# Altium PCB STM32F405.PcbDoc (part 5 of 5)
Units mm, origin at the board's own origin, x right, y up, seen from the top; angles counter-clockwise.
Board outline 430.02 x 145.03 mm, 2 copper layers (Top Layer, Bottom Layer); 243 components, 243 nets, 1346 pads, 2611 vias.
Unrouted connection lines stored in the file: 128.
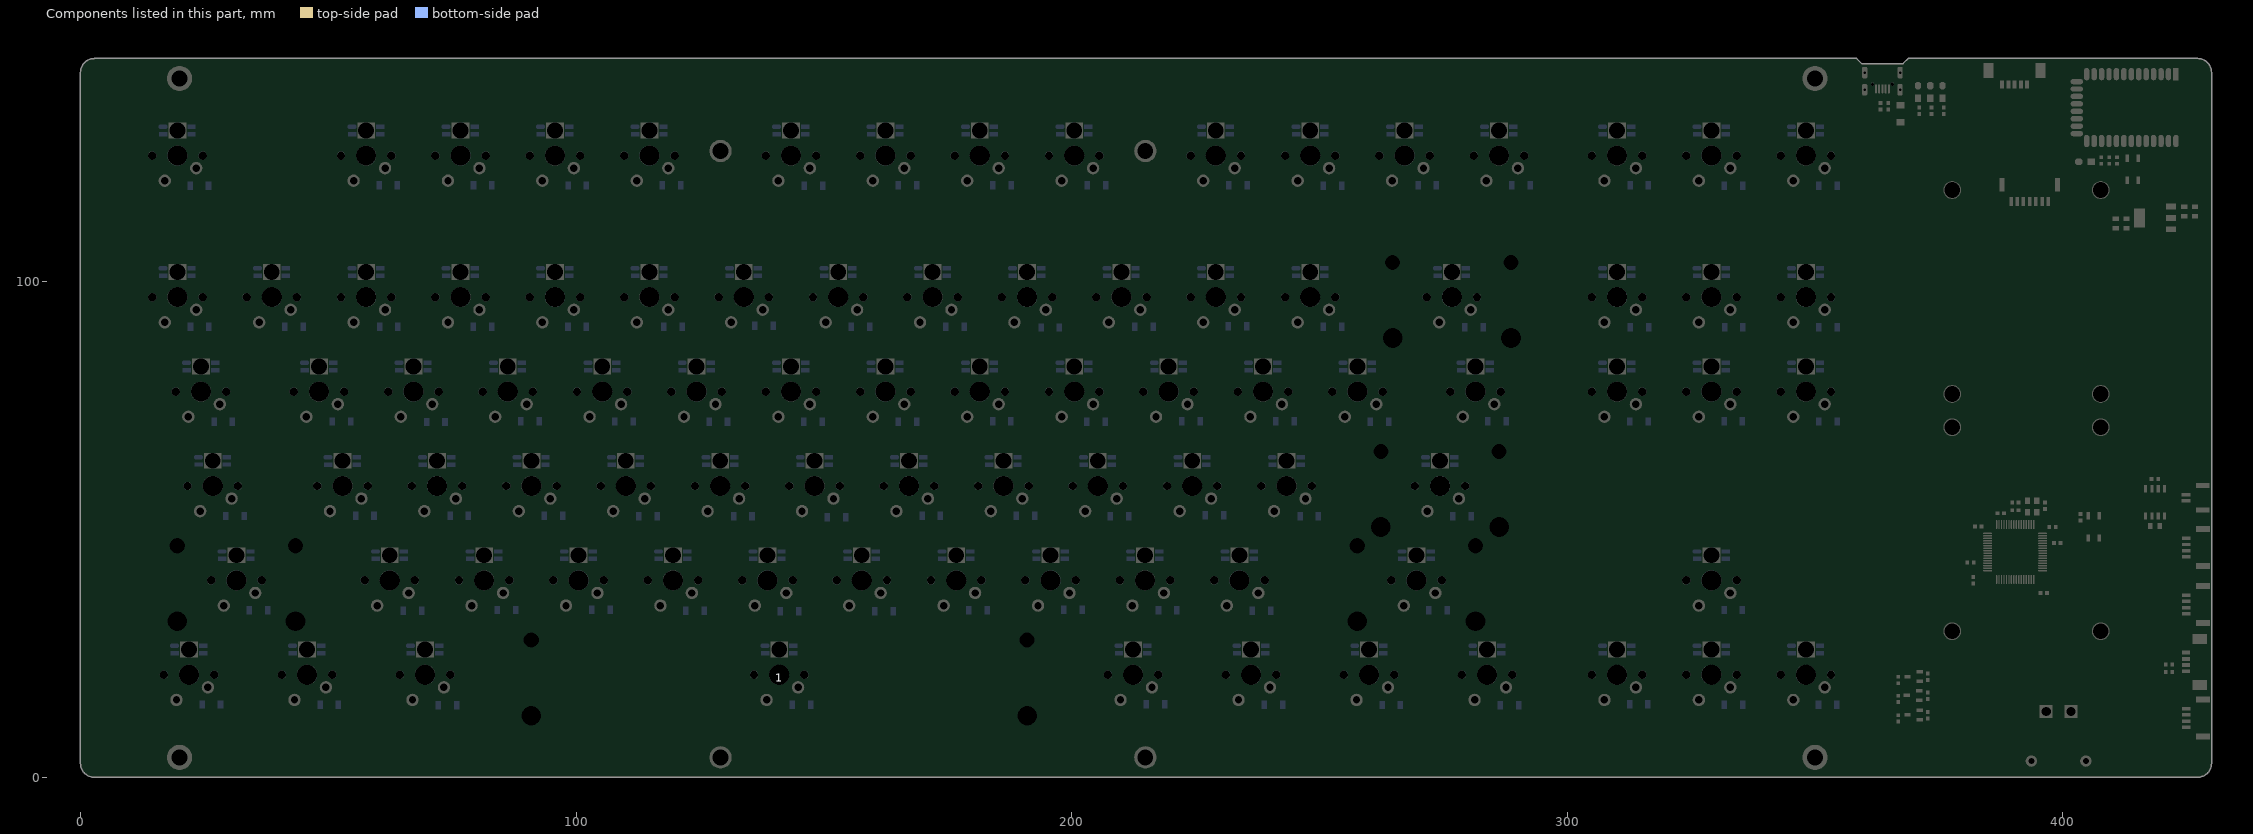
[diagram p5: the components of this part, seen from the top]

## Via types
v1: diameter 0.61, hole 0.305, Top Layer to Bottom Layer, tented both sides, 2611 vias

## Nets (pads, with @x,y where several pads share a name; then routed paths per layer and width w, separated by ;. In a path a pad name is that pad's centre, name@x,y a point inside that pad or via, vN(x,y) a via of type N, cw(c..) or ccw(c..) an arc to the next point about the centre after c; other vN are vias at no path point) (continued)
pads on no net: 1.0 1.1 1.3 1.4 2.0 2.1 2.3 2.4 3.0 3.1 3.3 3.4 4.0 4.1 4.3 4.4 5.0 5.1 5.3 5.4 AT_Config1.0 CAN1.0 HC-1.3 HC-1.4 HC-1.5 HC-1.6 HC-1.7 HC-1.8 HC-1.9 HC-1.10 HC-1.11 HC-1.14 HC-1.15 HC-1.16 HC-1.17 HC-1.18 HC-1.19 HC-1.20 HC-1.23 HC-1.25 HC-1.27 HC-1.28 HC-1.29 HC-1.30 HC-1.31 HC-1.32 HC-1.33 HC-1.34 INPUT1.0 J1.5 JTAG_SW1.0 MX_LD1.0 MX_OLED1.0 OLED1.0 SP1.1 SP2.1 SP3.1 SP4.1 SW1. SW2. SW3. SW4. SW5. SW6. SW7. SW8. SW9. SW10. SW11. SW12. SW13. SW14. SW15. SW16. SW17. SW18. SW19. SW20. SW21. SW22. SW23. SW24. SW25. SW26. SW27. SW27.4 SW28. SW29. SW30. SW31. SW32. SW33. SW34. SW35. SW36. SW37. SW38. SW39. SW40. SW41. SW42. SW43. SW44. SW45. SW46. SW47. SW48. SW49. SW50. SW51. SW52. SW53. SW54. SW54.4 SW55. SW56. SW57. SW58. SW59. SW60. SW61. SW62. SW63. SW64. SW65. SW66. SW67. SW68. SW69. SW70. SW71. SW72. SW73. SW74. SW75. SW76. SW77. SW78. SW79. SW80. SW81. SW82. SW83. SW84. SW85. SW86. SW87. SW87.4 U1.50 U1.55 U1.56 UART1.0 USART1.0 USART2.0 USB1.0 USB1.4
copper on no net: | length 4.7
  Bottom Layer w0.508: 277.193,64.599 v1(278.753,64.599) ; 279.533,102.711 v1(281.093,102.711) ; 351.012,26.499 v1(352.572,26.499)

## Polygon pours and split planes (outlines as drawn)
L_GND on Top Layer "Top Layer-L_GND" (solid, remove dead copper, pour order 40): -4.064,155.321 -9.779,149.606 -9.779,-5.588 440.436,-5.588 452.755,6.731 444.373,15.113 444.373,157.226 435.991,165.608 429.895,159.512 15.113,159.512
L_GND on Top Layer "Top Layer-L_GND 1" (solid, remove dead copper, pour order 30): -37.338,152.781
L_GND on Bottom Layer "Bottom Layer-L_GND" (solid, remove dead copper, pour order 42): -11.43,-6.35 439.928,-6.35 439.42,-5.842 439.42,158.623 -2.286,158.623 -10.414,150.495

## Other copper
Top Layer:
  rectangle net L_VCC: 366.014,128.905 368.046,132.969
  rectangle net L_VCC: 420.751,114.554 428.625,115.951
  rectangle net L_VCC: 423.926,43.532 428.625,44.802
  rectangle net L_VCC: 423.937,32.218 428.636,33.488
  rectangle net L_VCC: 423.926,9.144 428.625,10.414
  rectangle net L_VCC: 266.827,25.781 269.494,28.956
  rectangle net L_VCC: 274.828,43.053 301.117,44.45
  rectangle net L_VCC: 279.527,62.484 281.813,69.088
  rectangle net L_VCC: 248.539,67.564 300.99,69.088
  rectangle net L_VCC: 248.539,65.786 250.571,69.088
  rectangle net L_VCC: 67.501,46.72 69.342,49.911
  rectangle net L_VCC: 36.576,48.514 69.342,49.911
  rectangle net L_VCC: 36.576,46.736 38.481,49.911
  rectangle net L_VCC: 27.178,27.67 77.343,29.083
  rectangle net L_VCC: 74.676,27.7 77.385,31.002
  rectangle net L_VCC: 146.304,27.686 148.844,30.988
  rectangle net L_VCC: 74.676,29.464 220.599,31.115
  rectangle net L_VCC: 217.678,27.684 220.599,31.115
  rectangle net L_VCC: 217.678,27.684 300.99,28.97
  rectangle net L_VCC: 261.874,84.82 300.99,86.106
  rectangle net L_VCC: 283.909,84.709 288.481,86.106
  rectangle net L_VCC: 260.096,84.709 264.668,86.106
  rectangle net L_VCC: 295.275,27.686 301.117,135.255
  rectangle net L_VCC: 248.158,106.553 322.072,111.125
  rectangle net L_VCC: 248.158,104.14 255.27,111.125
  rectangle net L_VCC: 315.151,103.869 322.072,111.125
  rectangle net L_VCC: 315.087,27.669 355.161,30.607
  rectangle net L_VCC: 315.151,84.82 355.161,87.757
  rectangle net L_VCC: 315.151,103.869 355.161,111.125
  rectangle net L_VCC: 67.501,46.72 240.861,48.768
  rectangle net L_VCC: 30.861,65.77 250.386,67.818
  rectangle net L_VCC: 29.4,84.836 261.874,86.868
  rectangle net L_VCC: 24.638,104.14 255.27,108.585
  rectangle net L_VCC: 24.638,132.969 356.362,135.382
  pour cut-out: 423.545,37.338 423.545,34.061 423.57,34.036 426.339,34.036 426.212,34.163 426.212,37.211
  pour cut-out: 422.783,48.641 422.783,46.058 425.069,46.058 425.069,48.641
  pour cut-out: 417.284,60.809 417.284,53.871 417.434,53.72 420.116,53.72 420.116,60.682
  pour cut-out: 362.712,138.303 362.643,138.234 362.643,136.419 365.131,136.419 365.155,136.443 364.715,136.883 364.715,138.073
  pour cut-out: 366.138,17.111 366.138,10.574 366.359,10.795 374.904,10.795 374.904,16.447 374.777,16.573
  pour cut-out: 368.935,21.82 369.257,21.498 369.257,11.113 374.84,11.113 374.777,11.176 374.777,21.971
  region net NetF1_1: 364.744,139.192 364.744,137.922 366.649,136.017 366.649,135.763 367.157,135.255 367.792,135.255 367.792,136.144 367.411,136.525 367.284,136.525 366.141,137.668 366.141,138.938 365.633,138.938 365.379,139.192
  pour cut-out: 423.799,141.478 423.799,127.635 429.133,127.635 430,128.502 430,142.367 424.984,142.367
  region: 389.509,134.493
  region net L_VCC: 399.796,15.367 399.796,11.303 397.256,8.763 368.3,8.763 367.284,9.779 367.284,11.684 366.268,11.684 366.268,8.382 367.665,6.985 401.701,6.985 405.384,10.668 405.257,10.795 405.257,14.478 404.495,15.24
  region net VCC3V3: 409.829,112.268 408.462,112.268 401.066,104.872 401.066,55.88 402.082,54.864 402.082,53.594 398.526,53.594 398.526,55.753 394.843,59.436 394.843,104.013 405.765,114.935 416.433,114.935 416.941,114.427 416.814,114.3 416.814,112.395
  region net VCC3V3: 374.904,22.352 382.651,30.099 385.191,32.639 388.874,32.639 390.906,30.607 390.906,28.194 379.603,16.891 379.603,14.097 376.682,11.176 374.904,11.176
  region net VCC3V3: 371.602,12.319 371.348,12.065 370.459,12.065 370.332,11.938 370.332,11.43 370.586,11.176 370.619,11.209 374.109,11.209 374.142,11.176 376.047,11.176 377.698,12.827 377.698,21.336 377.19,21.844 375.666,21.844 375.158,21.336 375.158,20.193 375.021,20.056 371.719,20.056 371.475,19.812 370.586,19.812 370.459,19.685 370.459,19.05 370.967,18.542 374.777,18.542 375.031,18.288 375.031,16.51 374.777,16.256 370.586,16.256 370.332,16.002 370.332,15.113 370.713,14.732 375.031,14.732 375.031,12.319
  region net L_VCC: 420.751,114.554 427.101,114.554 427.355,114.808 427.355,115.697 423.418,115.697 423.037,116.078 421.005,116.078 420.751,115.824
  region net VCC3V3: 413.639,112.268 414.274,111.633 414.274,111.125 414.401,110.998 416.687,110.998 417.068,111.379 417.068,112.141 417.195,112.268 422.91,112.268 423.037,112.395 423.037,113.411 422.91,113.538 417.195,113.538 416.941,113.792 416.941,114.681 416.795,114.827 416.795,114.953 414.419,114.953 414.274,114.808 414.274,113.919 413.815,113.46 410.034,113.46 409.956,113.538 409.878,113.46 409.773,113.46 409.773,112.466 409.702,112.395 409.829,112.268
  region net VCC3V3: 394.081,51.816 394.081,50.165 395.097,49.149 397.383,49.149 397.764,49.53 397.764,51.054 398.018,51.308 401.32,51.308 401.447,51.181 404.114,51.181 404.368,51.435 404.241,51.562 404.241,51.943 404.114,52.07 396.621,52.07 395.605,51.054 394.589,51.054 394.462,51.181 394.462,51.816 394.335,51.943 394.208,51.943
Bottom Layer:
  rectangle net L_VCC: 424.434,8.681 428.625,115.951
  rectangle net L_VCC: 298.577,27.686 317.056,30.607
  rectangle net L_VCC: 295.275,85.09 317.056,87.757
  rectangle net L_VCC: 278.765,100.341 283.677,101.738
  rectangle net L_VCC: 281.772,100.341 283.677,111.125
  rectangle net L_VCC: 266.827,24.257 269.494,27.305
  rectangle net L_VCC: 262.128,24.257 269.494,25.527
  rectangle net L_VCC: 271.653,43.053 277.749,44.45
  rectangle net L_VCC: 276.479,62.484 281.813,63.627
  rectangle net L_VCC: 36.544,43.18 38.449,48.768
  rectangle net L_VCC: 33.496,43.18 38.449,44.577
  rectangle net L_VCC: 31.76,62.258 33.665,67.846
  rectangle net L_VCC: 28.712,62.258 33.665,63.655
  rectangle net L_VCC: 286.322,24.13 290.64,25.527
  rectangle net L_VCC: 289.116,24.13 291.645,29.083
  rectangle net L_VCC: 238.697,24.13 243.015,25.527
  rectangle net L_VCC: 241.491,24.13 244.02,29.083
  rectangle net L_VCC: 214.884,24.13 219.202,25.527
  rectangle net L_VCC: 217.678,24.13 220.207,29.083
  rectangle net L_VCC: 143.468,24.116 147.786,25.513
  rectangle net L_VCC: 146.262,24.116 148.792,29.069
  rectangle net L_VCC: 72.009,24.13 76.327,25.527
  rectangle net L_VCC: 74.803,24.13 77.333,29.083
  rectangle net L_VCC: 48.196,24.13 52.514,25.527
  rectangle net L_VCC: 50.99,24.13 53.52,29.083
  rectangle net L_VCC: 27.178,24.13 29.708,29.083
  rectangle net L_VCC: 24.384,24.13 28.702,25.527
  rectangle net L_VCC: 253.238,100.33 255.143,106.807
  rectangle net L_VCC: 250.19,100.33 255.143,101.727
  rectangle net L_VCC: 248.476,62.23 250.381,67.818
  rectangle net L_VCC: 245.428,62.23 250.381,63.627
  rectangle net L_VCC: 229.426,62.23 231.331,67.818
  rectangle net L_VCC: 226.378,62.23 231.331,63.627
  rectangle net L_VCC: 238.951,43.18 240.856,48.768
  rectangle net L_VCC: 235.903,43.18 240.856,44.577
  rectangle net L_VCC: 178.753,43.18 183.706,44.577
  rectangle net L_VCC: 181.801,43.18 183.706,48.768
  rectangle net L_VCC: 197.803,43.18 202.756,44.577
  rectangle net L_VCC: 200.851,43.18 202.756,48.768
  rectangle net L_VCC: 216.853,43.18 221.806,44.577
  rectangle net L_VCC: 219.901,43.18 221.806,48.768
  rectangle net L_VCC: 121.603,43.18 126.556,44.577
  rectangle net L_VCC: 124.651,43.18 126.556,48.768
  rectangle net L_VCC: 140.653,43.18 145.606,44.577
  rectangle net L_VCC: 143.701,43.18 145.606,48.768
  rectangle net L_VCC: 159.703,43.18 164.656,44.577
  rectangle net L_VCC: 162.751,43.18 164.656,48.768
  rectangle net L_VCC: 64.453,43.18 69.406,44.577
  rectangle net L_VCC: 67.501,43.18 69.406,48.768
  rectangle net L_VCC: 83.502,43.18 88.456,44.577
  rectangle net L_VCC: 86.55,43.18 88.456,48.768
  rectangle net L_VCC: 102.552,43.18 107.505,44.577
  rectangle net L_VCC: 105.6,43.18 107.505,48.768
  rectangle net L_VCC: 169.228,62.23 174.181,63.627
  rectangle net L_VCC: 172.276,62.23 174.181,67.818
  rectangle net L_VCC: 188.278,62.23 193.231,63.627
  rectangle net L_VCC: 191.326,62.23 193.231,67.818
  rectangle net L_VCC: 207.328,62.23 212.281,63.627
  rectangle net L_VCC: 210.376,62.23 212.281,67.818
  rectangle net L_VCC: 112.078,62.23 117.031,63.627
  rectangle net L_VCC: 115.126,62.23 117.031,67.818
  rectangle net L_VCC: 131.128,62.23 136.081,63.627
  rectangle net L_VCC: 134.176,62.23 136.081,67.818
  rectangle net L_VCC: 150.178,62.23 155.131,63.627
  rectangle net L_VCC: 153.226,62.23 155.131,67.818
  rectangle net L_VCC: 54.927,62.23 59.88,63.627
  rectangle net L_VCC: 57.975,62.23 59.88,67.818
  rectangle net L_VCC: 73.977,62.23 78.93,63.627
  rectangle net L_VCC: 77.025,62.23 78.93,67.818
  rectangle net L_VCC: 93.027,62.23 97.98,63.627
  rectangle net L_VCC: 96.075,62.23 97.98,67.818
  rectangle net L_VCC: 283.528,81.28 288.481,82.677
  rectangle net L_VCC: 286.576,81.28 288.481,85.725
  rectangle net L_VCC: 262.763,81.28 264.668,85.725
  rectangle net L_VCC: 259.715,81.28 264.668,82.677
  rectangle net L_VCC: 243.713,81.28 245.618,86.868
  rectangle net L_VCC: 240.665,81.28 245.618,82.677
  rectangle net L_VCC: 224.663,81.28 226.568,86.868
  rectangle net L_VCC: 221.615,81.28 226.568,82.677
  rectangle net L_VCC: 205.613,81.28 207.518,86.868
  rectangle net L_VCC: 202.565,81.28 207.518,82.677
  rectangle net L_VCC: 186.563,81.28 188.468,86.868
  rectangle net L_VCC: 183.515,81.28 188.468,82.677
  rectangle net L_VCC: 167.513,81.28 169.418,86.868
  rectangle net L_VCC: 164.465,81.28 169.418,82.677
  rectangle net L_VCC: 148.463,81.28 150.368,86.868
  rectangle net L_VCC: 145.415,81.28 150.368,82.677
  rectangle net L_VCC: 129.413,81.28 131.318,86.868
  rectangle net L_VCC: 126.365,81.28 131.318,82.677
  rectangle net L_VCC: 110.363,81.28 112.268,86.868
  rectangle net L_VCC: 107.315,81.28 112.268,82.677
  rectangle net L_VCC: 91.313,81.28 93.218,86.868
  rectangle net L_VCC: 88.265,81.28 93.218,82.677
  rectangle net L_VCC: 72.263,81.28 74.168,86.868
  rectangle net L_VCC: 69.215,81.28 74.168,82.677
  rectangle net L_VCC: 53.213,81.28 55.118,86.868
  rectangle net L_VCC: 50.165,81.28 55.118,82.677
  rectangle net L_VCC: 26.352,81.28 31.305,82.677
  rectangle net L_VCC: 29.4,81.28 31.305,86.868
  rectangle net L_VCC: 350.203,24.13 355.156,25.527
  rectangle net L_VCC: 353.251,24.13 355.156,30.607
  rectangle net L_VCC: 312.103,24.13 317.056,25.527
  rectangle net L_VCC: 315.151,24.13 317.056,30.607
  rectangle net L_VCC: 334.201,24.13 336.106,30.607
  rectangle net L_VCC: 331.153,24.13 336.106,25.527
  rectangle net L_VCC: 350.203,81.28 355.156,82.677
  rectangle net L_VCC: 353.251,81.28 355.156,87.757
  rectangle net L_VCC: 312.103,81.28 317.056,82.677
  rectangle net L_VCC: 315.151,81.28 317.056,87.757
  rectangle net L_VCC: 334.201,81.28 336.106,87.757
  rectangle net L_VCC: 331.153,81.28 336.106,82.677
  rectangle net L_VCC: 350.203,100.33 355.156,101.727
  rectangle net L_VCC: 352.679,100.33 355.156,106.807
  rectangle net L_VCC: 312.103,100.33 317.056,101.727
  rectangle net L_VCC: 315.151,100.33 317.056,106.807
  rectangle net L_VCC: 334.201,100.33 336.106,106.807
  rectangle net L_VCC: 331.153,100.33 336.106,101.727
  rectangle net L_VCC: 231.14,100.33 236.093,101.727
  rectangle net L_VCC: 234.188,100.33 236.093,106.807
  rectangle net L_VCC: 193.04,100.33 197.993,101.727
  rectangle net L_VCC: 196.088,100.33 197.993,106.807
  rectangle net L_VCC: 215.138,100.33 217.043,106.807
  rectangle net L_VCC: 212.09,100.33 217.043,101.727
  rectangle net L_VCC: 173.99,100.33 178.943,101.727
  rectangle net L_VCC: 177.038,100.33 178.943,106.807
  rectangle net L_VCC: 135.89,100.33 140.843,101.727
  rectangle net L_VCC: 138.938,100.33 140.843,106.807
  rectangle net L_VCC: 157.988,100.33 159.893,106.807
  rectangle net L_VCC: 154.94,100.33 159.893,101.727
  rectangle net L_VCC: 116.84,100.33 121.793,101.727
  rectangle net L_VCC: 119.888,100.33 121.793,106.807
  rectangle net L_VCC: 78.74,100.33 83.693,101.727
  rectangle net L_VCC: 81.788,100.33 83.693,106.807
  rectangle net L_VCC: 100.838,100.33 102.743,106.807
  rectangle net L_VCC: 97.79,100.33 102.743,101.727
  rectangle net L_VCC: 40.64,100.33 45.593,101.727
  rectangle net L_VCC: 43.688,100.33 45.593,106.807
  rectangle net L_VCC: 24.638,100.33 26.543,106.807
  rectangle net L_VCC: 21.59,100.33 26.543,101.727
  rectangle net L_VCC: 62.738,100.33 64.643,106.807
  rectangle net L_VCC: 59.69,100.33 64.643,101.727
  rectangle net L_VCC: 350.203,128.905 355.156,130.302
  rectangle net L_VCC: 353.251,128.905 355.156,135.382
  rectangle net L_VCC: 331.153,128.905 336.106,130.302
  rectangle net L_VCC: 334.201,128.905 336.106,135.382
  rectangle net L_VCC: 312.103,128.905 317.056,130.302
  rectangle net L_VCC: 315.151,128.905 317.056,135.382
  rectangle net L_VCC: 288.29,128.905 293.243,130.302
  rectangle net L_VCC: 291.338,128.905 293.243,135.382
  rectangle net L_VCC: 269.24,128.905 274.193,130.302
  rectangle net L_VCC: 272.288,128.905 274.193,135.382
  rectangle net L_VCC: 250.19,128.905 255.143,130.302
  rectangle net L_VCC: 253.238,128.905 255.143,135.382
  rectangle net L_VCC: 231.14,128.905 236.093,130.302
  rectangle net L_VCC: 234.188,128.905 236.093,135.382
  rectangle net L_VCC: 202.565,128.905 207.518,130.302
  rectangle net L_VCC: 205.613,128.905 207.518,135.382
  rectangle net L_VCC: 183.515,128.905 188.468,130.302
  rectangle net L_VCC: 186.563,128.905 188.468,135.382
  rectangle net L_VCC: 164.465,128.905 169.418,130.302
  rectangle net L_VCC: 167.513,128.905 169.418,135.382
  rectangle net L_VCC: 145.415,128.905 150.368,130.302
  rectangle net L_VCC: 148.463,128.905 150.368,135.382
  rectangle net L_VCC: 116.84,128.905 121.793,130.302
  rectangle net L_VCC: 119.888,128.905 121.793,135.382
  rectangle net L_VCC: 97.79,128.905 102.743,130.302
  rectangle net L_VCC: 100.838,128.905 102.743,135.382
  rectangle net L_VCC: 78.74,128.905 83.693,130.302
  rectangle net L_VCC: 81.788,128.905 83.693,135.382
  rectangle net L_VCC: 59.69,128.905 64.643,130.302
  rectangle net L_VCC: 62.738,128.905 64.643,135.382
  rectangle net L_VCC: 24.638,128.905 26.543,135.382
  rectangle net L_VCC: 21.59,128.905 26.543,130.302
  region net L_VCC: 369.697,130.429 368.173,128.905 365.633,128.905 354.457,128.905 353.251,130.111 353.251,135.382 356.362,135.382 357.759,133.985 357.759,133.35 359.664,131.445 367.411,131.445 369.697,133.731
  pour cut-out: 423.926,141.351 423.926,127.762 429.26,127.762 429.895,128.397 429.895,142.113 423.926,142.113
  region net L_VCC: 399.796,15.367 399.796,11.774 402.889,8.681 428.625,8.681 428.625,10.414 406.908,10.414 404.749,12.573 404.749,15.367
  region net L_VCC: 425.444,114.554 425.317,114.681 420.751,114.681 420.751,124.587 409.829,135.509 374.777,135.509 368.173,128.905 368.173,132.207 374.904,138.938 385.699,138.938 411.719,138.938 425.846,124.811 428.625,122.032 428.625,114.808
  region net VCC3V3: 400.494,52.26 402.209,50.546 402.209,44.069 402.209,37.338 397.51,32.639 388.747,32.639 388.747,27.813 390.525,26.035 397.002,26.035 404.749,33.782 404.749,47.752 404.749,50.489 402.787,52.451 400.685,52.451
  region net VCC3V3: 398.526,54.229 401.574,51.181 403.86,51.181 403.86,51.689 402.082,53.467 402.082,54.864 401.066,55.88 399.034,55.88 398.526,55.372
  region: 397.891,53.594

## Silkscreen, mask and mechanical layers (free items; w line width, h text height)
Top Overlay:
  text "JLCJLCJLC" at 406.908,136.906 h1
  text "SEASKY" at 301.117,59.944 h10.16
Mechanical 1:
  lines w0.254: 0,142.236 cw(c2.794,142.236) 2.794,145.03 2.798,145.034 358.394,145.034 359.41,144.018 367.792,144.018 368.808,145.034 427.228,145.034 ; 0,142.236 0,142.236 ; 0,142.236 0,2.794 ccw(c2.794,2.794) 2.794,0 ; 2.794,0 2.794,0 ; 2.794,0 427.228,0.004 ccw(c427.228,2.798) 430.022,2.798 ; 427.228,145.034 cw(c427.228,142.24) 430.022,142.24 ; 427.228,145.034 427.228,145.034 ; 430.022,2.798 430.022,2.798 ; 430.022,2.798 430.022,142.24 ; 430.022,142.24 430.022,142.24
Drill Drawing:
  pour cut-out: 423.523,12.181 423.523,13.589 424.434,13.589 424.434,12.196
  lines w0.152: 2.794,145.03 ccw(c2.794,142.236) 0,142.236 0,2.794 ccw(c2.794,2.794) 2.794,0 427.228,0.004 ccw(c427.228,2.798) 430.022,2.798 430.022,142.24 ccw(c427.228,142.24) 427.228,145.034 368.808,145.034 367.792,144.018 359.41,144.018 358.394,145.034 357.886,145.034 2.798,145.034

## Text inside footprints (layer, text, board x,y; h text height)
INPUT1: Top Overlay "+" at 403.138,12.493 h1.27